# Allegro board SDHCalFEB.brd (continued)
## Routing (per net, layer and track width the routed paths; a pad name or vN(x,y) marks a point on that pad's centre or on a via; arc(x,y) is an arc through that point) (continued)
; v2(178.38,253.26) 177.95,253.26 ; v2(178.38,253.26) 178.38,253.7 ; v2(178.38,253.26) 178.82,253.26 ; 173.23,182.78 R1874.1 173.23,181.61 ; 177.09,172.06 v2(177.09,172.49) ; v2(177.09,172.49) 177.52,172.49 ; v2(177.09,172.49) 176.66,172.49 ; v2(177.09,172.49) 177.09,172.92 ; v2(178.36,172.49) 178.79,172.49 ; v2(178.36,172.49) 178.36,172.92 ; v2(178.36,172.49) 178.36,172.06 ; v2(178.36,172.49) 177.93,172.49 ; J67.2 269.88,100.09 ; J67.2 267.61,100.09 ; J67.2 268.74,101.22 ; v2(97.41,38.25) 97.41,38.68 ; v2(97.41,38.25) 97.41,37.82 ; v2(97.41,38.25) 96.98,38.25 ; v2(97.41,38.25) 97.84,38.25 ; v2(341.35,91.14) 341.35,91.57 ; v2(341.35,91.14) 341.35,90.7 ; v2(341.35,91.14) 340.92,91.14 ; v2(341.35,91.14) 341.78,91.14 ; 254,181.79 v2(254,182.22) ; v2(254,182.22) 254,182.65 ; v2(254,182.22) 254.43,182.22 ; 339.14,310.67 v2(339.57,310.67) ; v2(339.57,310.67) 340,310.67 ; v2(339.57,310.67) 339.57,311.1 ; v2(339.57,310.67) 339.57,310.24 ; 107.48,94.79 J57.3 ; J57.3 106.35,95.92 ; J57.3 107.48,97.05 ; J57.3 108.61,95.92 ; v1(323.06,22.12) 323.06,22.56 ; v1(323.06,22.12) 323.49,22.12 ; v1(323.06,22.12) 323.06,21.69 ; v1(323.06,22.12) 322.63,22.12 ; v1(164.11,23.27) 164.54,23.27 ; v1(164.11,23.27) 163.68,23.27 ; v1(164.11,23.27) 164.11,23.7 ; v1(164.11,23.27) 164.11,22.83 ; v2(172.52,200.41) 172.95,200.41 ; v2(172.52,200.41) 172.08,200.41 ; v2(172.52,200.41) 172.52,200.84 ; v2(172.52,200.41) 172.52,199.97 ; 112.08,97.03 C1303.2 ; C1303.2 113.28,98.35 ; C1303.2 113.28,95.71 ; v2(94.69,82.93) 94.69,83.36 ; v2(94.69,82.93) 95.12,82.93 ; v2(94.69,82.93) 94.26,82.93 ; v2(94.69,82.93) 94.69,82.5 ; 262.86,100.09 J67.5 ; J67.5 263.99,101.22 ; J67.5 265.13,100.09 ; J67.5 263.99,98.96 ; v2(31.29,340.72) 31.73,340.72 ; v2(31.29,340.72) 31.29,341.15 ; v2(31.29,340.72) 30.86,340.72 ; v2(31.29,340.72) 31.29,340.28 ; 264.06,176.22 v2(264.06,176.66) ; v2(264.06,176.66) 264.06,177.09 ; v2(264.06,176.66) 263.63,176.66 ; v2(264.06,176.66) 264.49,176.66 ; v2(102.08,258.47) 102.08,258.9 ; v2(102.08,258.47) 102.51,258.47 ; v2(102.08,258.47) 101.65,258.47 ; v2(102.08,258.47) 102.08,258.04 ; v2(110.69,175.06) 110.69,175.49 ; v2(110.69,175.06) 111.13,175.06 ; v2(110.69,175.06) 110.26,175.06 ; v2(110.69,175.06) 110.69,174.62 ; 32.36,92.38 v2(32.36,92.81) ; v2(32.36,92.81) 32.79,92.81 ; v2(32.36,92.81) 32.36,93.24 ; v2(32.36,92.81) 31.93,92.81 ; 32.51,260.07 v2(32.51,260.5) ; v2(32.51,260.5) 32.51,260.93 ; v2(32.51,260.5) 32.08,260.5 ; v2(32.51,260.5) 32.94,260.5 ; 168.76,272.03 v2(169.19,272.03) ; v2(169.19,272.03) 169.62,272.03 ; v2(169.19,272.03) 169.19,271.6 ; v2(169.19,272.03) 169.19,272.47 ; v2(36.98,171.86) 36.98,172.29 ; v2(36.98,171.86) 36.55,171.86 ; v2(36.98,171.86) 36.98,171.42 ; v2(36.98,171.86) 37.41,171.86 ; J65.5 103.9,181.1 ; J65.5 102.77,179.97 ; J65.5 105.03,179.97 ; J65.5 103.9,178.84 ; v2(297.31,350.88) 297.74,350.88 ; v2(297.31,350.88) 297.31,350.44 ; v2(297.31,350.88) 296.87,350.88 ; v2(297.31,350.88) 297.31,351.31 ; J25.2 340.72,89.52 ; J25.2 339.59,88.39 ; J25.2 339.59,90.65 ; J25.2 338.46,89.52 ; 176.61,331.39 v2(177.04,331.39) ; v2(177.04,331.39) 177.04,330.96 ; v2(177.04,331.39) 177.04,331.83 ; v2(177.04,331.39) 177.47,331.39 ; v2(173.28,82.85) 173.28,83.29 ; v2(173.28,82.85) 173.28,82.42 ; v2(173.28,82.85) 172.85,82.85 ; v2(173.28,82.85) 173.71,82.85 ; v2(38.15,342.32) 38.58,342.32 ; v2(38.15,342.32) 38.15,342.75 ; v2(38.15,342.32) 37.72,342.32 ; v2(38.15,342.32) 38.15,341.88 ; 183.03,95.31 J56.4 ; J56.4 185.29,95.31 ; J56.4 184.16,94.18 ; J56.4 184.16,96.44 ; v2(34.01,169.88) 34.44,169.88 ; v2(34.01,169.88) 33.58,169.88 ; v2(34.01,169.88) 34.01,170.31 ; v2(34.01,169.88) 34.01,169.44 ; v2(265.84,100.71) 266.27,100.71 ; v2(265.84,100.71) 265.84,101.14 ; v2(265.84,100.71) 265.4,100.71 ; v2(265.84,100.71) 265.84,100.28 ; v1(369.82,93.09) 369.82,93.52 ; v1(369.82,93.09) 369.82,92.66 ; v1(369.82,93.09) 369.39,93.09 ; v1(369.82,93.09) 370.26,93.09 ; U664.1 106.27,173.08 ; U664.1 105.45,173.08 ; U664.1 105.86,173.84 ; 98.93,95.73 v2(98.93,96.16) ; v2(98.93,96.16) 98.5,96.16 ; v2(98.93,96.16) 99.37,96.16 ; v2(98.93,96.16) 98.93,96.6 ; 335.86,41.3 v2(336.3,41.3) ; v2(336.3,41.3) 336.73,41.3 ; v2(336.3,41.3) 336.3,41.73 ; v2(336.3,41.3) 336.3,40.87 ; v1(262.05,352.65) 262.05,353.09 ; v1(262.05,352.65) 262.48,352.65 ; v1(262.05,352.65) 262.05,352.22 ; v1(262.05,352.65) 261.62,352.65 ; 232.56,278.31 v2(232.99,278.31) ; v2(232.99,278.31) 232.99,278.74 ; v2(232.99,278.31) 232.99,277.88 ; v2(232.99,278.31) 233.43,278.31 ; v2(154.71,116.87) 154.71,117.3 ; v2(154.71,116.87) 154.28,116.87 ; v2(154.71,116.87) 154.71,116.43 ; v2(154.71,116.87) 155.14,116.87 ; v2(177.29,273.35) 177.29,273.79 ; v2(177.29,273.35) 177.29,272.92 ; v2(177.29,273.35) 177.72,273.35 ; v2(177.29,273.35) 176.86,273.35 ; v1(279.07,352.17) 279.5,352.17 ; v1(279.07,352.17) 278.64,352.17 ; v1(279.07,352.17) 279.07,351.74 ; v1(279.07,352.17) 279.07,352.6 ; J7.4 95.04,325.86 ; J7.4 95.04,323.6 ; J7.4 93.91,324.73 ; J7.4 96.17,324.73 ; J45.4 255.98,254.93 ; J45.4 254.85,253.8 ; J45.4 253.72,254.93 ; J45.4 254.85,256.06 ; 27.48,85.52 v2(27.91,85.52) ; v2(27.91,85.52) 27.91,85.09 ; v2(27.91,85.52) 28.35,85.52 ; v2(27.91,85.52) 27.91,85.95 ; v2(175.69,192.3) 175.69,192.74 ; v2(175.69,192.3) 176.12,192.3 ; v2(175.69,192.3) 175.69,191.87 ; v2(175.69,192.3) 175.26,192.3 ; v2(247.01,32.97) 247.01,33.4 ; v2(247.01,32.97) 247.01,32.54 ; v2(247.01,32.97) 246.58,32.97 ; v2(247.01,32.97) 247.45,32.97 ; 319.18,40.11 v2(319.61,40.11) ; v2(319.61,40.11) 319.61,39.67 ; v2(319.61,40.11) 319.61,40.54 ; v2(319.61,40.11) 320.04,40.11 ; v2(98.93,92.35) 98.93,92.79 ; v2(98.93,92.35) 99.37,92.35 ; v2(98.93,92.35) 98.5,92.35 ; v2(98.93,92.35) 98.93,91.92 ; 101.88,254.61 v2(102.31,254.61) ; v2(102.31,254.61) 102.31,255.04 ; v2(102.31,254.61) 102.74,254.61 ; v2(102.31,254.61) 102.31,254.18 ; v2(252.55,280.26) 252.98,280.26 ; v2(252.55,280.26) 252.55,279.83 ; v2(252.55,280.26) 252.55,280.7 ; v2(252.55,280.26) 252.12,280.26 ; 179.02,183.67 v2(179.45,183.67) ; v2(179.45,183.67) 179.45,183.24 ; v2(179.45,183.67) 179.88,183.67 ; v2(179.45,183.67) 179.45,184.1 ; 88.96,198.81 v2(88.53,198.81) 88.53,199.24 ; 97.41,291.51 v2(97.84,291.51) 97.84,291.08 ; 178.82,260.16 J46.2 ; J46.2 179.95,259.03 ; J46.2 179.95,261.29 ; J46.2 181.08,260.16 ; v2(94.48,252.7) 94.48,253.13 ; v2(94.48,252.7) 94.91,252.7 ; v2(94.48,252.7) 94.48,252.27 ; 257.53,276.68 v2(257.96,276.68) ; v2(257.96,276.68) 257.96,277.11 ; v2(257.96,276.68) 257.96,276.25 ; 189.81,257.07 v2(190.25,257.07) ; v2(190.25,257.07) 190.25,257.51 ; v2(190.25,257.07) 190.25,256.64 ; v2(190.25,257.07) 190.68,257.07 ; C85.2 270.15,326.61 ; C85.2 268.96,325.29 ; C85.2 270.15,323.97 ; 105.38,179.71 v2(105.82,179.71) ; v2(105.82,179.71) 105.82,179.27 ; v2(105.82,179.71) 106.25,179.71 ; v2(105.82,179.71) 105.82,180.14 ; J35.A38 v1(394.88,273.18) ; v2(98.12,34.62) 98.55,34.62 ; v2(98.12,34.62) 98.12,34.19 ; v2(98.12,34.62) 98.12,35.05 ; v2(98.12,34.62) 97.69,34.62 ; 260.63,249.4 v2(260.63,249.83) ; v2(260.63,249.83) 260.2,249.83 ; v2(260.63,249.83) 261.06,249.83 ; v2(260.63,249.83) 260.63,250.27 ; v2(95.86,173.05) 96.29,173.05 ; v2(95.86,173.05) 95.86,173.48 ; v2(95.86,173.05) 95.86,172.62 ; v2(95.86,173.05) 95.43,173.05 ; 187.35,22.06 J53.3 ; J53.3 189.61,22.06 ; J53.3 188.48,23.19 ; J53.3 188.48,20.93 ; v2(39.57,88.29) 40.01,88.29 ; v2(39.57,88.29) 39.57,87.86 ; v2(39.57,88.29) 39.14,88.29 ; v2(39.57,88.29) 39.57,88.72 ; R1664.1 192.13,254.26 ; 256.29,245.21 v2(256.72,245.21) ; v2(256.72,245.21) 256.72,245.64 ; v2(256.72,245.21) 256.72,244.78 ; v2(256.72,245.21) 257.15,245.21 ; v1(262.1,25.27) 262.1,25.71 ; v1(262.1,25.27) 261.67,25.27 ; v1(262.1,25.27) 262.53,25.27 ; v1(262.1,25.27) 262.1,24.84 ; 38.99,347.04 v2(38.99,347.47) ; v2(38.99,347.47) 38.99,347.9 ; v2(38.99,347.47) 39.42,347.47 ; v2(38.99,347.47) 38.56,347.47 ; 82.68,20.57 v1(82.68,21.01) ; v1(82.68,21.01) 82.68,21.44 ; v1(82.68,21.01) 82.24,21.01 ; v1(82.68,21.01) 83.11,21.01 ; 185.62,342.42 v2(185.62,342.85) ; v2(185.62,342.85) 186.06,342.85 ; v2(185.62,342.85) 185.19,342.85 ; v2(233.02,118.19) 233.45,118.19 ; v2(233.02,118.19) 233.02,117.75 ; v2(233.02,118.19) 233.02,118.62 ; v2(233.02,118.19) 232.59,118.19 ; 350.82,263.65 C1454.2 ; C1454.2 352.6,263.74 ; C1454.2 352.69,265.52 ; J26.4 330.37,35.38 ; J26.4 329.24,34.25 ; J26.4 330.37,33.12 ; J26.4 331.5,34.25 ; v2(319,43.97) 319.43,43.97 ; v2(319,43.97) 318.57,43.97 ; v2(319,43.97) 319,44.4 ; v2(319,43.97) 319,43.54 ; C1482.2 354.74,348.28 ; C1482.2 353.54,346.96 ; C1482.2 353.54,349.61 ; v2(98.15,331.32) 98.58,331.32 ; v2(98.15,331.32) 98.15,331.75 ; v2(98.15,331.32) 97.71,331.32 ; v2(98.15,331.32) 98.15,330.89 ; 28.88,185.67 v2(29.31,185.67) ; v2(29.31,185.67) 29.31,186.11 ; v2(29.31,185.67) 29.74,185.67 ; v2(29.31,185.67) 29.31,185.24 ; 34.19,38.76 v2(34.19,39.19) ; v2(34.19,39.19) 34.62,39.19 ; v2(34.19,39.19) 33.76,39.19 ; v2(34.19,39.19) 34.19,39.62 ; 90.35,200.66 v2(90.78,200.66) ; v2(90.78,200.66) 90.78,201.09 ; v2(90.78,200.66) 90.78,200.23 ; v2(90.78,200.66) 91.21,200.66 ; 355.45,206.58 v1(355.88,206.58) ; v1(355.88,206.58) 355.88,207.01 ; v1(355.88,206.58) 356.31,206.58 ; v1(355.88,206.58) 355.88,206.15 ; v2(257.99,87.66) 257.99,88.09 ; v2(257.99,87.66) 257.56,87.66 ; v2(257.99,87.66) 257.99,87.22 ; v2(257.99,87.66) 258.42,87.66 ; J63.5 30.87,261.09 ; J63.5 29.74,259.96 ; J63.5 30.87,258.83 ; J63.5 32,259.96 ; 227.95,333.2 J37.3 ; J37.3 227.95,335.46 ; J37.3 226.82,334.33 ; J37.3 229.08,334.33 ; 259.79,168 v2(259.79,168.43) ; v2(259.79,168.43) 259.36,168.43 ; v2(259.79,168.43) 259.79,168.86 ; v2(259.79,168.43) 260.22,168.43 ; 256.74,118.73 v2(257.18,118.73) ; v2(257.18,118.73) 257.18,119.17 ; v2(257.18,118.73) 257.18,118.3 ; v2(185.39,257.23) 185.39,257.66 ; v2(185.39,257.23) 184.96,257.23 ; v2(185.39,257.23) 185.39,256.79 ; v2(185.39,257.23) 185.83,257.23 ; 100.69,331.14 R1391.1 101.24,331.72 ; 254.63,32.87 J28.3 ; J28.3 255.76,34 ; J28.3 254.63,35.13 ; J28.3 253.5,34 ; 107.64,325.73 v2(108.08,325.73) ; v2(108.08,325.73) 108.08,326.16 ; v2(108.08,325.73) 108.51,325.73 ; v2(108.08,325.73) 108.08,325.3 ; 162.86,353.09 v1(163.3,353.09) ; v1(163.3,353.09) 163.3,353.52 ; v1(163.3,353.09) 163.3,352.65 ; v1(163.3,353.09) 163.73,353.09 ; 183.72,176.61 v2(183.72,177.04) ; v2(183.72,177.04) 184.15,177.04 ; v2(183.72,177.04) 183.72,177.47 ; v2(183.72,177.04) 183.29,177.04 ; 254.89,277.6 J4.2 ; J4.2 257.15,277.6 ; J4.2 256.02,278.73 ; J4.2 256.02,276.47 ; 333.5,268.55 v2(333.93,268.55) ; v2(333.93,268.55) 333.93,268.12 ; v2(333.93,268.55) 334.37,268.55 ; v2(333.93,268.55) 333.93,268.99 ; 97.64,322.99 v2(97.64,322.55) 97.21,322.55 ; C1484.2 365.99,240.13 ; C1484.2 364.79,238.81 ; C1484.2 364.79,241.45 ; v2(227.56,336.17) 227.56,336.6 ; v2(227.56,336.17) 227.56,335.74 ; v2(227.56,336.17) 227.13,336.17 ; v2(227.56,336.17) 227.99,336.17 ; v2(177.39,198.67) 177.39,199.1 ; v2(177.39,198.67) 177.39,198.24 ; v2(177.39,198.67) 176.96,198.67 ; v2(230.68,117.3) 231.12,117.3 ; v2(230.68,117.3) 230.68,117.73 ; v2(230.68,117.3) 230.68,116.86 ; v2(230.68,117.3) 230.25,117.3 ; 294.5,342.98 J40.4 ; J40.4 293.37,344.11 ; J40.4 294.5,345.24 ; J40.4 295.63,344.11 ; 98.25,100.99 v2(98.25,101.42) ; v2(98.25,101.42) 98.25,101.85 ; v2(98.25,101.42) 98.68,101.42 ; v2(98.25,101.42) 97.81,101.42 ; 180.68,251.18 R1667.1 ; R1667.1 181.24,251.77 ; R1667.1 180.68,252.35 ; 302.31,347.78 v2(302.74,347.78) ; v2(302.74,347.78) 302.74,348.21 ; v2(302.74,347.78) 303.17,347.78 ; v2(302.74,347.78) 302.74,347.34 ; 105.74,337.72 v2(106.17,337.72) ; v2(106.17,337.72) 106.6,337.72 ; v2(106.17,337.72) 106.17,337.29 ; v2(106.17,337.72) 106.17,338.15 ; 335.1,115.59 v2(335.1,116.03) ; v2(335.1,116.03) 334.67,116.03 ; v2(335.1,116.03) 335.1,116.46 ; v2(335.1,116.03) 335.53,116.03 ; J35.A22 v1(394.88,252.86) ; J22.5 171.41,119.19 ; J22.5 169.15,119.19 ; J22.5 170.28,118.06 ; J22.5 170.28,120.32 ; J61.2 277.48,181.61 ; J61.2 278.61,180.48 ; J61.2 277.48,179.35 ; J61.2 276.35,180.48 ; 18.31,25.48 v1(18.75,25.48) ; v1(18.75,25.48) 19.18,25.48 ; v1(18.75,25.48) 18.75,25.91 ; v1(18.75,25.48) 18.75,25.04 ; 248.44,112.65 v2(248.44,113.08) ; v2(248.44,113.08) 248.01,113.08 ; v2(248.44,113.08) 248.87,113.08 ; v2(248.44,113.08) 248.44,113.51 ; J64.5 185.19,179.95 ; J64.5 184.06,178.82 ; J64.5 182.93,179.95 ; J64.5 184.06,181.08 ; 27.38,82.55 v2(27.38,82.98) ; v2(27.38,82.98) 27.81,82.98 ; v2(27.38,82.98) 26.95,82.98 ; v2(27.38,82.98) 27.38,83.41 ; 103.95,173.51 v2(103.95,173.08) 103.52,173.08 ; U1051.8 v1(345.97,191.19) ; v2(97.08,119.86) 97.08,120.29 ; v2(97.08,119.86) 96.65,119.86 ; v2(97.08,119.86) 97.08,119.42 ; 255.73,40.56 v2(255.73,41) ; v2(255.73,41) 255.29,41 ; v2(255.73,41) 256.16,41 ; v2(255.73,41) 255.73,41.43 ; 337.74,172.29 v2(338.18,172.29) ; v2(338.18,172.29) 338.61,172.29 ; v2(338.18,172.29) 338.18,172.72 ; v2(338.18,172.29) 338.18,171.86 ; 112.48,259.84 U182.2 113.3,259.84 ; 93.01,37.9 v2(93.45,37.9) ; v2(93.45,37.9) 93.88,37.9 ; v2(93.45,37.9) 93.45,37.46 ; v2(93.45,37.9) 93.45,38.33 ; 363.12,156.41 v2(363.12,156.84) ; v2(363.12,156.84) 363.12,157.28 ; v2(363.12,156.84) 363.55,156.84 ; v2(363.12,156.84) 362.69,156.84 ; 256.59,259.74 v2(256.59,260.17) ; v2(256.59,260.17) 256.16,260.17 ; v2(256.59,260.17) 256.59,260.6 ; v2(256.59,260.17) 257.02,260.17 ; 259.5,251.72 v2(259.93,251.72) ; v2(259.93,251.72) 259.93,252.15 ; v2(259.93,251.72) 259.93,251.29 ; 92.63,199.06 v2(92.63,199.49) ; v2(92.63,199.49) 92.63,199.92 ; v2(92.63,199.49) 93.07,199.49 ; v2(92.63,199.49) 92.2,199.49 ; v2(104.56,94.03) 104.56,94.46 ; v2(104.56,94.03) 104.13,94.03 ; v2(104.56,94.03) 104.99,94.03 ; J34.B17 v1(391.79,182.76) ; J17.2 341.31,169.56 ; J17.2 340.18,168.43 ; J17.2 340.18,170.69 ; J17.2 339.05,169.56 ; v2(98.86,243.03) 98.86,243.46 ; v2(98.86,243.03) 99.29,243.03 ; v2(98.86,243.03) 98.42,243.03 ; v2(98.86,243.03) 98.86,242.59 ; v2(253.57,118.92) 253.57,119.36 ; v2(253.57,118.92) 254,118.92 ; v2(253.57,118.92) 253.14,118.92 ; v2(253.57,118.92) 253.57,118.49 ; 189.99,258.44 v2(190.42,258.44) ; v2(190.42,258.44) 190.42,258.88 ; v2(190.42,258.44) 190.86,258.44 ; v2(190.42,258.44) 190.42,258.01 ; 37.82,171.86 v2(38.25,171.86) ; v2(38.25,171.86) 38.68,171.86 ; v2(38.25,171.86) 38.25,172.29 ; v2(38.25,171.86) 38.25,171.42 ; 31.77,90.82 J58.5 ; J58.5 32.91,89.69 ; J58.5 32.91,91.95 ; J58.5 34.04,90.82 ; 175.82,172.06 v2(175.82,172.49) ; v2(175.82,172.49) 176.25,172.49 ; v2(175.82,172.49) 175.82,172.92 ; v2(175.82,172.49) 175.39,172.49 ; J39.4 39.71,341.68 ; J39.4 39.71,339.42 ; J39.4 38.58,340.55 ; J39.4 40.84,340.55 ; J34.B24 v1(391.79,191.65) ; 95.5,250.11 v2(95.94,250.11) ; v2(95.94,250.11) 95.94,250.55 ; v2(95.94,250.11) 95.94,249.68 ; v2(95.94,250.11) 96.37,250.11 ; 337.31,174.68 v2(337.74,174.68) ; v2(337.74,174.68) 338.18,174.68 ; v2(337.74,174.68) 337.74,175.11 ; v2(337.74,174.68) 337.74,174.24 ; v2(93.9,193.62) 93.9,194.06 ; v2(93.9,193.62) 94.34,193.62 ; v2(93.9,193.62) 93.47,193.62 ; v2(93.9,193.62) 93.9,193.19 ; J54.2 107.56,27.1 ; J54.2 106.43,25.97 ; J54.2 108.69,25.97 ; J54.2 107.56,24.84 ; 97.87,252.86 v2(97.87,253.29) ; v2(97.87,253.29) 97.43,253.29 ; v2(97.87,253.29) 98.3,253.29 ; v2(97.87,253.29) 97.87,253.72 ; 318.16,118.42 v2(318.59,118.42) ; v2(318.59,118.42) 319.02,118.42 ; v2(318.59,118.42) 318.59,117.99 ; 270.56,96.22 v2(270.99,96.22) ; v2(270.99,96.22) 270.99,96.65 ; v2(270.99,96.22) 270.99,95.78 ; v2(270.99,96.22) 271.42,96.22 ; 96.19,251.08 v2(96.19,251.51) ; v2(96.19,251.51) 95.76,251.51 ; v2(96.19,251.51) 96.62,251.51 ; v2(96.19,251.51) 96.19,251.94 ; 190.8,334.9 v2(191.24,334.9) ; v2(191.24,334.9) 191.24,334.47 ; v2(191.24,334.9) 191.67,334.9 ; 33.2,259.71 v2(33.63,259.71) ; v2(33.63,259.71) 33.63,259.28 ; v2(33.63,259.71) 33.63,260.15 ; v2(33.63,259.71) 34.06,259.71 ; 107.65,172.82 v2(107.65,173.25) ; v2(107.65,173.25) 107.65,173.69 ; v2(107.65,173.25) 108.08,173.25 ; v2(107.65,173.25) 107.21,173.25 ; 95.1,261.52 v2(95.1,261.95) ; v2(95.1,261.95) 94.67,261.95 ; v2(95.1,261.95) 95.53,261.95 ; v2(95.1,261.95) 95.1,262.38 ; J35.A12 v1(394.88,240.16) ; v2(185.29,334.95) 185.73,334.95 ; v2(185.29,334.95) 184.86,334.95 ; v2(185.29,334.95) 185.29,334.52 ; 36.52,86.07 J58.3 ; J58.3 37.66,84.94 ; J58.3 37.66,87.2 ; J58.3 38.79,86.07 ; J35.B7 v1(391.79,233.81) ; J11.5 255.1,249.52 ; J11.5 252.84,249.52 ; J11.5 253.97,250.65 ; J11.5 253.97,248.39 ; 176,89.87 v2(176.43,89.87) ; v2(176.43,89.87) 176.43,90.3 ; v2(176.43,89.87) 176.86,89.87 ; v2(176.43,89.87) 176.43,89.43 ; 111.18,259.84 U182.1 112,259.84 ; v2(34.19,327.15) 34.62,327.15 ; v2(34.19,327.15) 34.19,326.72 ; v2(34.19,327.15) 33.76,327.15 ; v2(34.19,327.15) 34.19,327.58 ; 171.19,37.13 J30.5 ; J30.5 171.19,39.4 ; J30.5 170.06,38.27 ; J30.5 172.32,38.27 ; U1051.5 v1(348.34,193.14) ; J52.5 262.72,28.12 ; J52.5 263.86,26.99 ; J52.5 261.59,26.99 ; J52.5 262.72,25.86 ; v2(366.8,211.48) 367.23,211.48 ; v2(366.8,211.48) 366.37,211.48 ; v2(366.8,211.48) 366.8,211.05 ; v2(366.8,211.48) 366.8,211.91 ; 249.43,192.61 v2(249.43,193.04) ; v2(249.43,193.04) 249.86,193.04 ; v2(249.43,193.04) 249.43,193.47 ; v2(249.43,193.04) 249,193.04 ; 83.79,20.9 v1(84.23,20.9) ; v1(84.23,20.9) 84.23,20.47 ; v1(84.23,20.9) 84.23,21.34 ; v1(84.23,20.9) 84.66,20.9 ; v2(263.65,255.12) 264.08,255.12 ; v2(263.65,255.12) 263.65,254.69 ; v2(263.65,255.12) 263.65,255.55 ; v2(263.65,255.12) 263.22,255.12 ; 370.61,95.25 C1465.2 ; C1465.2 371.93,94.06 ; C1465.2 373.25,95.25 ; v2(105.86,94.03) 105.86,94.46 ; v2(105.86,94.03) 106.29,94.03 ; v2(105.86,94.03) 105.43,94.03 ; 89.61,31.22 v2(89.61,31.65) ; v2(89.61,31.65) 89.61,32.08 ; v2(89.61,31.65) 90.04,31.65 ; v2(89.61,31.65) 89.18,31.65 ; 329.82,192.1 v2(330.25,192.1) ; v2(330.25,192.1) 330.68,192.1 ; v2(330.25,192.1) 330.25,191.67 ; v2(330.25,192.1) 330.25,192.53 ; 240.85,117.47 v2(240.85,117.91) ; v2(240.85,117.91) 241.29,117.91 ; v2(240.85,117.91) 240.42,117.91 ; 366.6,238.73 v2(366.6,239.17) ; v2(366.6,239.17) 367.03,239.17 ; v2(366.6,239.17) 366.6,239.6 ; v2(366.6,239.17) 366.17,239.17 ; J34.B8 v1(391.79,171.33) ; 38.25,87.35 v2(38.25,87.78) ; v2(38.25,87.78) 37.82,87.78 ; v2(38.25,87.78) 38.25,88.21 ; v2(38.25,87.78) 38.68,87.78 ; 251.76,327.96 R154.2 ; R154.2 251.18,328.52 ; R154.2 252.35,328.52 ; 167.64,24 v1(168.07,24) ; v1(168.07,24) 168.07,23.57 ; v1(168.07,24) 168.5,24 ; v1(168.07,24) 168.07,24.44 ; 354.61,350.27 v1(355.04,350.27) ; v1(355.04,350.27) 355.04,350.7 ; v1(355.04,350.27) 355.04,349.83 ; v1(355.04,350.27) 355.47,350.27 ; 157.91,118.42 v2(158.34,118.42) 158.34,117.99 ; 259.69,86.33 v2(260.12,86.33) ; v2(260.12,86.33) 260.12,85.9 ; v2(260.12,86.33) 260.12,86.77 ; v2(260.12,86.33) 260.55,86.33 ; v1(182.5,347.01) 182.5,347.45 ; v1(182.5,347.01) 182.5,346.58 ; v1(182.5,347.01) 182.93,347.01 ; v1(182.5,347.01) 182.07,347.01 ; J34.A18 v1(394.88,184.03) ; 160.68,39.75 v2(160.68,40.18) ; v2(160.68,40.18) 161.11,40.18 ; v2(160.68,40.18) 160.68,40.62 ; v2(160.68,40.18) 160.25,40.18 ; v2(39.47,171.48) 39.9,171.48 ; v2(39.47,171.48) 39.47,171.04 ; v2(39.47,171.48) 39.04,171.48 ; v2(39.47,171.48) 39.47,171.91 ; 247.53,118.72 v2(247.53,118.29) 247.96,118.29 ; v2(157.56,276.94) 157.56,277.37 ; v2(157.56,276.94) 157.12,276.94 ; v2(157.56,276.94) 157.99,276.94 ; v2(157.56,276.94) 157.56,276.5 ; 339.59,83.64 J25.3 ; J25.3 339.59,85.9 ; J25.3 338.46,84.77 ; J25.3 340.72,84.77 ; 92.16,120.12 R2035.1 92.72,120.7 ; v2(94.48,92.71) 94.48,93.14 ; v2(94.48,92.71) 94.91,92.71 ; v2(94.48,92.71) 94.48,92.27 ; 23.88,21.67 v1(23.88,22.1) ; v1(23.88,22.1) 24.31,22.1 ; v1(23.88,22.1) 23.44,22.1 ; v1(23.88,22.1) 23.88,22.53 ; v2(233.86,277.65) 234.29,277.65 ; v2(233.86,277.65) 233.43,277.65 ; v2(233.86,277.65) 233.86,277.22 ; v2(233.86,277.65) 233.86,278.08 ; 99.79,323.6 J7.3 ; J7.3 99.79,325.86 ; J7.3 98.66,324.73 ; J7.3 100.92,324.73 ; v2(174.49,252.78) 174.49,253.21 ; v2(174.49,252.78) 174.49,252.34 ; v2(174.49,252.78) 174.92,252.78 ; J56.2 188.91,101.19 ; J56.2 187.78,100.06 ; J56.2 188.91,98.93 ; J56.2 190.04,100.06 ; v2(251.69,97.54) 252.12,97.54 ; v2(251.69,97.54) 251.26,97.54 ; v2(251.69,97.54) 251.69,97.97 ; v2(251.69,97.54) 251.69,97.1 